# Altium PCB 风扇_V1.1.PcbDoc
Units mm, origin at the board's own origin, x right, y up, seen from the top; angles counter-clockwise.
Board outline 100 x 20 mm, 2 copper layers (Top Layer, Bottom Layer); 73 components, 49 nets, 206 pads, 122 vias.
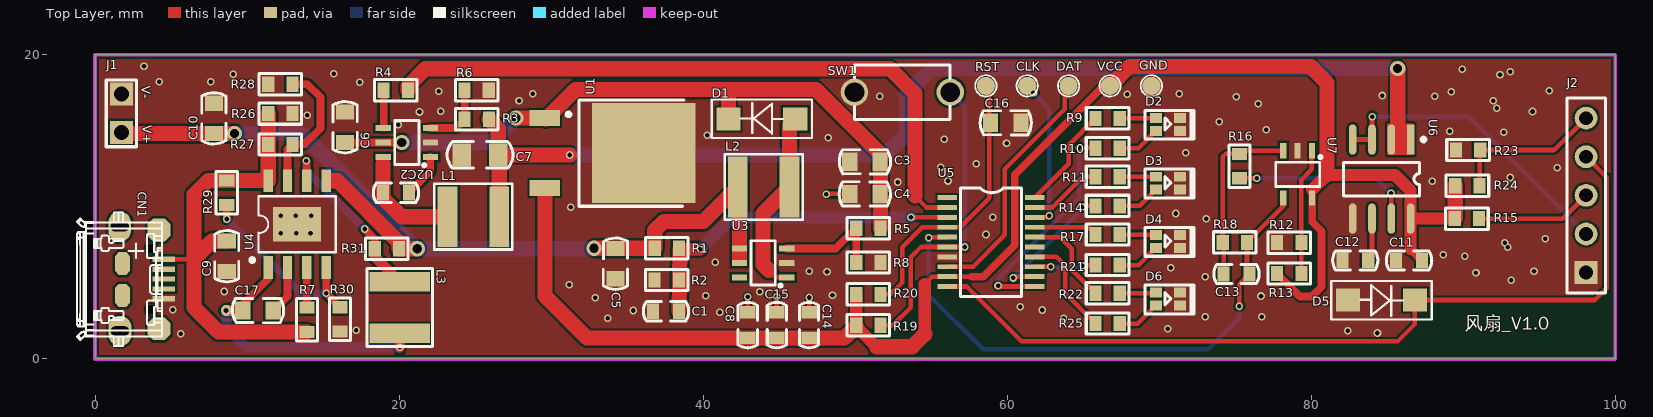
[diagram p0: Top Layer view]
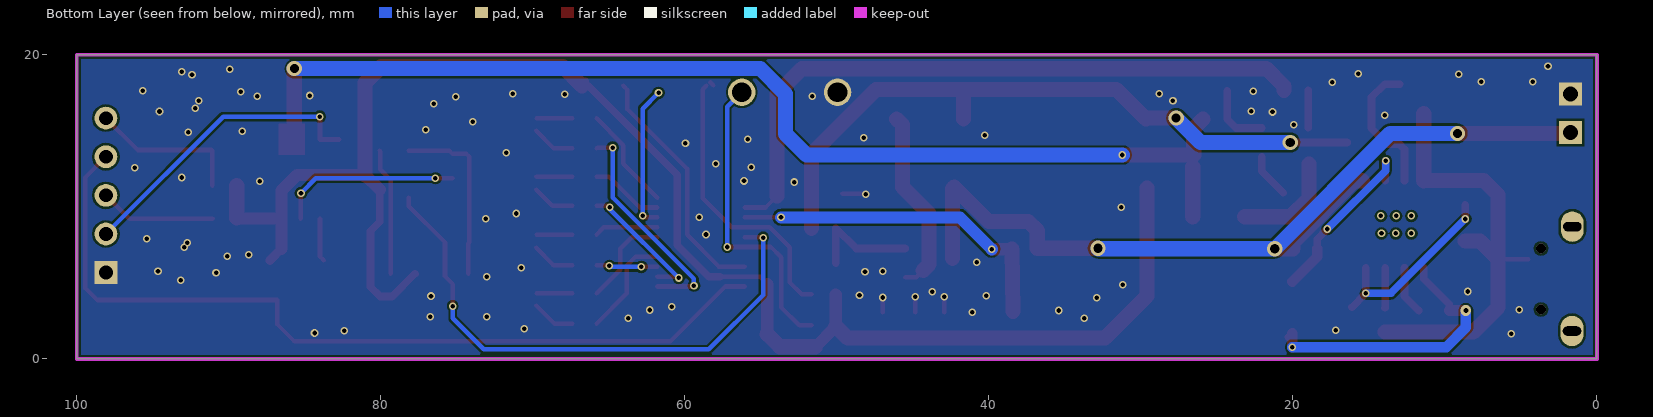
[diagram p1: Bottom Layer view, seen from below]

## Layer stack, top to bottom
Top Layer: signal copper 0.0356
Dielectric: dielectric 0.32, FR-4, Dk 4.8
Bottom Layer: signal copper 0.0356

## Board outline
0,0 100,0 100,20 0,20

## Design rules (kind name [scope] priority, off if disabled: settings)
Clearance [All] p1: gap=0.15
ComponentClearance [All] p1: gap=0.254 collisioncheckmode=3 verticalgap=0.254
PlaneConnect [All] p1: planeconnectstyle=Direct reliefexpansion=0.508 reliefentries=4 reliefconductorwidth=0.254 reliefairgap=0.254
PolygonConnect [All] p1: connectstyle=Direct reliefconductorwidth=0.254 reliefentries=4 polygonreliefangle="90 Angle"
RoutingVias [All] p1: holewidth=0.3 width=0.5 viastyle="Through Hole" minholewidth=0.3 minwidth=0.5 maxholewidth=0.711 maxwidth=1.27
SolderMaskExpansion [All] p1: expansion=0.102
TestPointUsage [All] p1: valid=0 allowmultiple=FALSE
Testpoint [(IsPad And (OnTopLayer Or OnBottomLayer))] p1: side=3 testpointundercomponent=TRUE minsize=1.016 maxsize=2.54 preferedsize=1.524 minholesize=0 maxholesize=1.016 preferedholesize=0.813 testpointgrid=0.025 style=297 order=0123456789
Width [All] p1: maxlimit=1 minlimit=0.15 preferedwidth=0.254
17 further rules are at their usual default settings.

## Components (designator, comment, footprint, x,y, rotation, side; value= is the part's Value field where it differs from the comment)
C1 "0.1UF" C-0603 37.562,3.13 r0 top
C2 "10nF" C-0603 19.797,10.925 r180 top
C3 "10uF" C-0805 50.639,12.959 r0 top
C4 "22uF" C-0805 50.639,10.846 r180 top
C5 "22uF" C-0805 34.23,6.263 r270 top
C6 "22uF" C-0805 16.449,15.235 r90 top
C7 "47uF" C-1206 25.325,13.415 r0 top
C8 "0.1uF" C-0603 42.935,2.217 r90 top
C9 "10uF" C-0805 8.661,6.754 r270 top
C10 "22uF" C-0805 7.818,15.814 r90 top
C11 "0.1uF" C-0603 86.44,6.477 r180 top
C12 "0.01uF" C-0603 82.9,6.478 r180 top
C13 "1nF" C-0603 75.086,5.585 r0 top
C14 "0.1uF" C-0603 46.975,2.217 r270 top
C15 "1uF" C-0603 44.845,2.217 r270 top
C16 "10uF" C-0805 59.907,15.524 r0 top
C17 "47nF" C-0805 10.716,3.178 r0 top
CLK "TP" TP-1.2 61.322,17.955 r90 top (schematic designator CLK1)
CN1 "Micro USB" USB-MICRO1 3.066,5.222 r0 top
D1 "1N5817" DIODE 43.867,15.781 r0 top
D2 "LED" 0603*2-LED 71.382,15.849 r180 top
D3 "LED" 0603*2-LED 71.382,11.978 r180 top
D4 "LED" 0603*2-LED 71.382,8.147 r180 top
D5 "5V" DIODE 84.628,3.87 r180 top
D6 "LED" 0603*2-LED 71.382,4.356 r180 top
DAT "TP" TP-1.2 64.044,17.955 r90 top (schematic designator DAT1)
GND "TP" TP-1.2 69.487,17.955 r90 top (schematic designator GND1)
J1 "HEADER 2" HED1X2 1.735,16.152 r90 top
J2 "MOTOR" HED1X5 98.085,5.674 r90 top
L1 "2.2uH" L-SMD 24.874,9.366 r180 top
L2 "4.7uH" L-SMD 43.974,11.318 r180 top
L3 "4.7uH" L-SMD 20.056,3.383 r90 top
R1 "1M" R-0603 37.612,7.278 r0 top
R2 "1M" R-0603 37.611,5.188 r0 top
R3 "190k" R-0603 25.112,15.764 r0 top
R4 "1k" R-0603 19.778,17.668 r180 top
R5 "750K" R-0603 50.868,8.593 r0 top
R6 "10k" R-0603 25.101,17.668 r180 top
R7 "2k" R-0603 13.942,2.568 r90 top
R8 "30K" R-0603 50.868,6.334 r180 top
R9 "330" R-0603 66.603,15.818 r0 top
R10 "330" R-0603 66.603,13.858 r0 top
R11 "330" R-0603 66.603,11.973 r0 top
R12 "100k" R-0603 78.553,7.643 r0 top
R13 "100k" R-0603 78.553,5.608 r180 top
R14 "330" R-0603 66.603,10.06 r0 top
R15 "4.7k" R-0603 90.249,9.222 r0 top
R16 "1k" R-0603 75.286,12.676 r90 top
R17 "330" R-0603 66.603,8.176 r0 top
R18 "3.1k" R-0603 74.98,7.658 r0 top
R19 "47K" R-0603 50.868,2.206 r0 top
R20 "10K" R-0603 50.868,4.241 r0 top
R21 "330" R-0603 66.603,6.169 r0 top
R22 "330" R-0603 66.603,4.31 r0 top
R23 "NC/4.7k" R-0603 90.319,13.738 r0 top
R24 "4.7k/NC" R-0603 90.28,11.386 r180 top
R25 "330" R-0603 66.603,2.321 r0 top
R26 "1k" R-0603 12.187,16.132 r0 top
R27 "3.9k" R-0603 12.187,14.105 r0 top
R28 "1.1k" R-0603 12.187,18.067 r180 top
R29 "100k" R-0603 8.661,10.927 r270 top
R30 "100k" R-0603 16.109,2.593 r270 top
R31 "50mR" R-0603 19.197,7.244 r0 top
RST "TP" TP-1.2 58.601,17.955 r90 top (schematic designator RST1)
SW1 "PUSH BOTTOM (B)" K-2P 49.953,17.536 r0 top
U1 "LM7805" D-PAK 32.844,13.538 r270 top
U2 "LP6460A" SOT-23-6L 20.512,14.232 r90 top
U3 "SDB628" SOT-23-6L 43.948,6.309 r90 top
U4 "LP28300BSPF" ESOP8 13.295,8.856 r0 top
U5 "N76E003 TSSOP20" TSSOP-20 58.94,7.681 r270 top
U6 "ACS712ELCTR-05B-T" SOIC8 84.635,11.826 r180 top
U7 "LM321 SOT23-5" SOT-23-5 79.111,12.132 r180 top
VCC "TP" TP-1.2 66.766,17.955 r90 top (schematic designator VCC1)

## Footprints (in the part's own frame and the unit in brackets; to place one, negate y for a bottom-side part, rotate by r counter-clockwise, add the part's x,y. Pads: shape width x height; smd on the part's side, far side on the other; paste and mask are expansions set on the pad)
0603*2-LED [mm]
  rect 0.8x0.65 smd: 1(1.6,0.85) 2(1.6,0) 3(0,0) 4(0,0.85)
  silkscreen extent -0.9,-0.5 2.3,1.4
C-0603 [mm]
  rect 0.8x1 smd: 1(-0.85,0) 2(0.85,0)
  silkscreen extent -1.49,-0.63 1.49,0.63
C-0805 [mm]
  rect 1x1.2 smd: 1(-1,0) 2(1,0)
  silkscreen extent -1.68,-0.8 1.69,0.8
C-1206 [mm]
  rect 1.2x1.5 smd: 1(1.2,0) 2(-1.2,0)
  silkscreen extent -2.16,-0.88 2.16,0.88
D-PAK [mm]
  rect 1.05x2 smd: 1(-2.3,-3.25) 3(2.3,-3.25)
  rect 6.6x6.8 smd: 2(0,3.25)
  silkscreen extent -3.5,-1.82 3.5,5.9
DIODE [mm]
  rect 1.6x1.5 smd: 1(2.2,0) 2(-2.2,0)
  silkscreen extent -3.3,-1.25 3.3,1.28
ESOP8 [mil]
  rect 24x59.06 smd: 1(-75,-112.5) 2(-25,-112.5) 3(25,-112.5) 4(75,-112.5) 5(75,112.5) 6(25,112.5) 7(-25,112.5) 8(-75,112.5)
  rect 124.02x88.98 smd: 9(0,0)
  silkscreen extent -121,-98 100,72
HED1X2 [mm]
  rect 1.5x1.5 hole 1: 1(-1.27,0) 2(1.27,0)
  silkscreen extent -2.2,-1 2.2,1
HED1X5 [mm]
  rect 1.5x1.5 hole 0.9: 1(0,0)
  round 1.5 hole 0.9: 2(2.54,0) 3(5.08,0) 4(7.62,0) 5(10.16,0)
  silkscreen extent -1.33,-1.27 11.49,1.27
K-2P [mm]
  round 1.8 hole 1.3 mask+0.102: 1(0,0) 2(6.3,0)
  silkscreen extent 0,-1.8 6.3,1.8
L-SMD [mm]
  rect 1.3x4 smd: 1(1.692,0.016) 2(-1.708,0.016)
  silkscreen extent -2.57,-2.14 2.56,2.17
R-0603 [mm]
  rect 0.8x1 smd: 1(-0.8,0) 2(0.8,0)
  silkscreen extent -1.4,-0.7 1.4,0.7
SOIC8 [mm]
  rect 0.5x2 smd: 1(-1.905,-2.6)
  oval 0.5x2 smd: 2(-0.635,-2.6) 3(0.635,-2.6) 4(1.905,-2.6) 5(1.905,2.6) 6(0.635,2.6) 7(-0.635,2.6) 8(-1.905,2.6)
  silkscreen extent -2.88,-2.72 2.5,1.1
SOT-23-5 [mm]
  rect 0.4x1 smd: 1(-0.95,-1.55) 2(0,-1.55) 3(0.95,-1.55) 4(0.95,1.55) 5(-0.95,1.55)
  silkscreen extent -1.6,-1.24 1.45,0.8
SOT-23-6L [mm]
  rect 0.4x1 smd: 1(-0.95,-1.55) 2(0,-1.55) 3(0.95,-1.55) 4(0.95,1.55) 5(0,1.55) 6(-0.95,1.55)
  silkscreen extent -1.6,-1.24 1.45,0.8
TP-1.2 [mm]
  round 1.2 smd: 1(0,0)
  silkscreen extent -0.7,-0.7 0.7,0.7
TSSOP-20 [mm]
  rect 0.32x1.3 smd: 1(-2.925,-2.875) 2(-2.275,-2.875) 3(-1.625,-2.875) 4(-0.975,-2.875) 5(-0.325,-2.875) 6(0.325,-2.875) 7(0.975,-2.875) 8(1.625,-2.875) 9(2.275,-2.875) 10(2.925,-2.875) 11(2.925,2.875) 12(2.275,2.875) 13(1.625,2.875) 14(0.975,2.875) 15(0.325,2.875) 16(-0.325,2.875) 17(-0.975,2.875) 18(-1.625,2.875) 19(-2.275,2.875) 20(-2.925,2.875)
  silkscreen extent -3.56,-2 3.58,2
USB-MICRO1 [mm]
  rect 1.5x0.35 smd: 1(1.448,1.325) 2(1.448,0.675) 3(1.448,0.025) 4(1.448,-0.625) 5(1.448,-1.275)
  oval 1.5x2 hole 0.6 slot 1.2 at 0 deg: ""(-1.448,3.474) ""(-1.428,-3.394)
  oct 1x1.5 smd: ""(-1.258,-1.05) ""(-1.258,1.05)
  oct 1.5x1.5 smd: ""(1.142,-3.25) ""(1.142,3.25)
  silkscreen extent -4.27,-4.38 1.35,4.42

## Free pads (board coordinates)
  round 0.65 hole 0.65: 0(3.68,3.25) 1(3.68,7.26)

## Via types
v1: diameter 0.5, hole 0.3, Top Layer to Bottom Layer, tented both sides, 115 vias
v2: diameter 1, hole 0.6, Top Layer to Bottom Layer, tented both sides, 6 vias
v3: diameter 0.7, hole 0.35, Top Layer to Bottom Layer, tented both sides, 1 vias

## Nets (pads, with @x,y where several pads share a name; then routed paths per layer and width w, separated by ;. In a path a pad name is that pad's centre, name@x,y a point inside that pad or via, vN(x,y) a via of type N, cw(c..) or ccw(c..) an arc to the next point about the centre after c; other vN are vias at no path point)
5V: C9.1 CN1.1 R7.1 R26.1 R27.1 R29.1 U4.8 | length 29.6
  Top Layer w0.3: CN1.1 6.487,6.547
  Top Layer w1: C9.1 7.694,7.754 6.51,6.57 ; U4.8@11.19,11.727 R29.1 7.447,11.727 6.51,10.79 6.51,6.57 ; U4.8 R26.1@11.39,16.129 ; R7.1 8.112,1.768 6.51,3.37 6.51,6.57
7.4V: C5.1 C10.1 J1.1 L2.1 R1.1 R31.2 U3.4 U3.5 U4.5 | length 58.7
  Top Layer w1: J1.1 1.803,14.814 C10.1 9.164,14.814 v2(9.18,14.83) ; U4.5@15.44,11.713 15.947,11.713 19.997,7.663 R31.2 21.186,7.244 v2(21.19,7.24) ; v2(32.83,7.27) C5.1@34.237,7.27 ; C5.1 C5.1@34.237,7.27 ; 42.398,6.6 U3.4 42.398,11.186 L2.1 40.01,9.03 37.41,9.03 36.812,8.432 R1.1 34.244,7.278 C5.1@34.237,7.27
  Bottom Layer w1: v2(9.18,14.83) 13.6,14.83 v2(21.19,7.24) 32.8,7.24 v2(32.83,7.27)
B1: R9.1 U5.20 | length 6.9
  Top Layer w0.3: U5.20 64.04,12.831 64.04,14.055 R9.1
B2: R11.1 U5.19 | length 4.8
  Top Layer w0.3: U5.19 62.976,9.956 64.993,11.973 R11.1
B3: R17.1 U5.17 | length 4.2
  Top Layer w0.3: U5.17 65.323,8.656 R17.1
B4: R22.1 U5.16 | length 6.3
  Top Layer w0.3: U5.16 63.484,8.006 64.26,7.23 64.26,5.853 R22.1
DET_BAT: C1.2 R1.2 R2.2 U5.3 | length 22.5
  Top Layer w0.3: v1(53.674,9.306) U5.3
  Top Layer w0.8: R1.2@38.48,7.21 v1(39.814,7.21)
  Top Layer w1: C1.2 R1.2@38.48,7.21
  Bottom Layer w0.8: v1(39.814,7.21) 41.91,9.306 v1(53.674,9.306)
EN_12V: R4.1 U5.2 | length 43.9
  Top Layer w0.3: 53.93,10.72 54.694,9.956 U5.2
  Top Layer w1: R4.1 20.578,17.928 21.736,19.086 52.284,19.086 53.93,17.44 53.93,10.72
FG: J2.3 R15.2 | length 7.7
  Top Layer w0.3: R15.2 96.552,9.222 J2.3
GND: C1.1 C3.1 C4.2 C5.2 C6.2 C7.2 C8.2 C9.2 C10.2 C11.2 C12.2 C14.1 C15.1 C16.2 CN1.5 D2.3 D2.4 D3.3 D3.4 D4.3 D4.4 D5.1 D6.3 D6.4 GND.1 J1.2 J2.1 R2.1 R6.1 R8.1 R12.1 R23.1 R26.2 R28.2 R30.2 SW1.1 U1.2 U2.2 U3.2 U4.9 U5.7 U6.5 U7.2 | length 4.5
  Top Layer w0.3: C8.2 v1(42.935,4.095) ; C15.1 v1(44.845,4.085) ; C14.1 v1(46.975,4.035) ; v1@48.106,10.846 C4.2
  other v1: 5.63,1.66 84.36,1.7 82.41,1.85 17.18,1.89 70.57,1.99 63.72,2.66 33.734,2.68 73.04,2.76 76.75,2.76 41.09,3.07 35.414,3.18 62.32,3.21 5.11,3.23 60.87,3.42 32.91,4.02 76.7,4.13 40.184,4.15 48.51,4.18 43.72,4.41 8.49,4.43 31.18,4.88 93.15,5.18 73.02,5.4 90.84,5.65 48.15,5.74 46.98,5.77 94.66,5.76 70.76,5.99 40.81,6.34 90.11,6.75 88.7,6.85 92.94,7.33 92.73,7.64 95.39,7.9 58.61,8.18 12.21,8.25 13.23,8.25 14.17,8.25 73.09,9.22 59.06,9.32 12.21,9.4 13.21,9.4 14.21,9.4 71.09,9.56 31.3,9.96 48.09,10.83 52.8,11.63 87.97,11.67 56.11,11.7 93.1,11.93 96.18,12.56 55.64,12.6 57.97,12.84 71.76,13.55 59.96,14.17 55.87,14.45 48.23,14.55 40.26,14.71 92.68,14.91 89.12,14.96 77.04,15.07 19.94,15.39 73.95,15.6 13.97,16.02 21.34,16.24 94.56,16.27 22.75,16.29 92.2,16.48 76.51,16.78 27.89,16.98 91.99,16.99 75.07,17.24 88.13,17.26 51.62,17.28 84.67,17.32 67.91,17.4 28.79,17.44 71.33,17.45 22.61,17.59 89.22,17.58 95.66,17.63 17.42,18.2 4.23,18.23 7.61,18.23 92.42,18.68 9.09,18.71 15.69,18.76 93.09,18.89 89.95,19.04 3.22,19.24
IP-: J2.2 U6.3 U6.4 | length 20.1
  Top Layer w0.3: U6.4 U6.3 84,15.95 v1(84.019,15.93)
  Bottom Layer w0.3: v1@84.04,15.93 90.369,15.93 J2.2
KEY: R19.2 SW1.2 U5.6 | length 20.2
  Top Layer w0.3: R19.2 52.476,2.206 53.65,3.38 53.65,6.67 54.336,7.356 U5.6 v1(57.206,7.356)
  Bottom Layer w0.3: SW1.2 57.206,16.583 v1(57.206,7.356)
N23160559: R5.1 R8.2 U3.3 | length 7.4
  Top Layer w0.5: U3.3 48.735,7.259 R5.1 R8.2@50.068,6.288
N23160568: D1.1 L2.2 U3.1 | length 12.4
  Top Layer w0.3: 44.322,5.818 44.781,5.359 U3.1
  Top Layer w1: 44.322,5.818 43.93,6.21 43.93,9.55 L2.2 45.682,15.396 D1.1
N23367902: R4.2 U2.4 | length 2.5
  Top Layer w0.3: U2.4 U2.4@18.978,15.197
  Top Layer w0.5: U2.4@18.978,15.197 R4.2
N23367939: C2.2 L1.1 U2.6 | length 7
  Top Layer w1: 18.947,12.817 C2.2 18.947,10.563 20.16,9.35 L1.1
N23367985: C2.1 U2.1 | length 2.9
  Top Layer w0.5: C2.1 22.062,12.34 U2.1
N23368069: R3.1 R6.2 U2.3 | length 4.4
  Top Layer w0.3: R6.2@24.312,17.625 24.306,17.63 R6.2@24.315,17.639
  Top Layer w0.5: U2.3 23.729,15.182 R3.1 R6.2@24.312,17.625
N23368260: R7.2 U4.3 | length 2.6
  Top Layer w0.5: U4.3 13.93,3.38 R7.2
N23370161: D2.2 R9.2 | length 2.3
  Top Layer w0.3: R9.2 D2.2@69.751,15.818
N23370189: D3.2 R11.2 | length 2.4
  Top Layer w0.3: R11.2 D3.2@69.776,11.973
N23370207: D4.2 R17.2 | length 2.3
  Top Layer w0.3: R17.2 D4.2@69.753,8.176
N23370225: D6.2 R22.2 | length 2.3
  Top Layer w0.3: R22.2 D6.2@69.736,4.31
N23370257: D2.1 R10.2 | length 2.9
  Top Layer w0.3: R10.2 68.64,13.858 D2.1
N23370283: D3.1 R14.2 | length 2.8
  Top Layer w0.3: R14.2 68.714,10.06 D3.1
N23370301: D4.1 R21.2 | length 2.8
  Top Layer w0.3: R21.2 68.653,6.169 D4.1
N23370360: D6.1 R25.2 | length 2.9
  Top Layer w0.3: R25.2 68.597,2.321 D6.1
N23370702: J2.5 R23.2 R24.1 | length 10.1
  Top Layer w0.3: R24.1 R23.2@91.08,13.7 ; R23.2 95.989,13.738 J2.5
N23371476: C12.1 U6.6 | length 2.9
  Top Layer w0.3: C12.1 84,6.727 U6.6
N23373152: C13.1 R16.2 R18.1 U7.3 | length 11.9
  Top Layer w0.3: C13.1 74.236,7.601 R18.1 74.18,13.29 74.366,13.476 R16.2 75.492,13.682 U7.3
N23373354: R12.2 R13.1 U7.1 | length 8.4
  Top Layer w0.3: R13.1 R12.2 79.353,11.767 80.046,12.46 80.046,13.667 U7.1
N23409971: R27.2 R28.1 U4.7 | length 9
  Top Layer w0.5: U4.7 12.66,13.777 R27.2 13.775,14.105 14.83,15.16 14.83,17.2 13.963,18.067 R28.1
N23410401: R29.2 R30.1 U4.4 | length 12.5
  Top Layer w0.5: v1(8.65,9.2) 8.65,10.116 R29.2 ; U4.4 v1(15.2,4.302) R30.1
  Bottom Layer w0.5: v1(8.65,9.2) 13.548,4.302 v1(15.2,4.302)
N23411253: C17.1 L3.2 U4.1 | length 18.9
  Top Layer w0.5: C17.1 9.716,3.596 11.39,5.27 U4.1 ; L3.2 L3.2@20.29,1.425
  Top Layer w0.7: v3(8.618,3.178) C17.1 ; v1(20.04,0.77) L3.2
  Bottom Layer w0.7: v3(8.618,3.178) 8.618,2.072 9.92,0.77 v1(20.04,0.77)
N23411484: C17.2 U4.2 | length 3.2
  Top Layer w0.5: C17.2 12.66,4.121 U4.2
P18: CLK.1 U5.18 | length 9.5
  Top Layer w0.3: v1(61.73,17.5) CLK.1@61.73,17.547 ; U5.18 62.716,9.306 v1@62.768,9.358
  Bottom Layer w0.3: v1(61.73,17.5) 62.768,16.462 v1(62.768,9.406)
PWM: D5.2 J2.4 U5.10 | length 56.4
  Top Layer w0.3: U5.10 57.344,4.756 60.957,1.143 85.683,1.143 86.828,2.288 D5.2 98.65,3.87 99.43,4.65 99.43,11.949 J2.4
R1: R10.1 U5.11 | length 14.8
  Top Layer w0.3: v1(59.4,4.81) 59.454,4.756 U5.11 ; v1(64.75,13.89) 65.771,13.89 R10.1
  Bottom Layer w0.3: v1(59.4,4.81) 59.4,5.26 64.75,10.61 v1(64.75,13.89)
R2: R14.1 U5.12 | length 8.9
  Top Layer w0.3: v1(60.4,5.32) 60.486,5.406 U5.12 ; v1(64.93,9.97) 65.02,10.06 R14.1
  Bottom Layer w0.3: v1(60.4,5.32) 64.93,9.85 v1(64.93,9.97)
R3: R21.1 U5.13 | length 4
  Top Layer w0.3: U5.13 62.854,6.056 v1(62.86,6.05) ; v1(64.96,6.11) 65.019,6.169 R21.1
  Bottom Layer w0.3: v1(62.86,6.05) 64.9,6.05 v1(64.96,6.11)
R4: R25.1 U5.14 | length 6.9
  Top Layer w0.3: U5.14 63.244,6.706 63.81,6.14 63.81,4.314 R25.1
RS: L3.1 R31.1 U4.6 | length 11.8
  Top Layer w0.5: v1(13.9,13.03) 13.93,13 U4.6 ; v1(17.73,8.54) 18.397,7.873 R31.1
  Top Layer w0.7: R31.1 18.397,6.718 L3.1
  Bottom Layer w0.5: v1(13.9,13.03) 13.9,12.37 v1(17.73,8.54)
TICEDAT: DAT.1 U5.8 | length 16.2
  Top Layer w0.3: U5.8 57.756,6.056 59.85,8.15 59.85,12.49 63.776,16.416 63.776,17.687 DAT.1
TICERST: C16.1 R20.2 RST.1 U5.4 | length 18.9
  Top Layer w0.3: R20.2 52.321,4.241 53.1,5.02 53.1,7.33 54.426,8.656 U5.4 56.906,8.656 58.822,10.572 58.822,17.734 RST.1 ; RST.1@58.132,17.988 RST.1@58.333,18.189
V_MOTOR: C13.2 R18.2 U5.5 U7.4 | length 37.4
  Top Layer w0.3: v1(54.85,7.97) 54.886,8.006 U5.5 ; v1(75.27,3.47) 75.27,4.919 75.78,5.429 R18.2 78.161,10.04 U7.4 78.161,10.071
  Bottom Layer w0.3: v1(54.85,7.97) 54.85,4.2 58.42,0.63 73.24,0.63 75.27,2.66 v1(75.27,3.47)
VDD_5V: C8.1 C11.1 C14.2 C15.2 R13.2 R15.1 R19.1 R20.1 R24.2 U1.3 U5.9 U6.8 U7.5 VCC.1 | length 109.3
  Top Layer w0.3: 54.58,4.93 55.056,5.406 57.67,5.406
  Top Layer w0.5: 57.67,5.406 58.426,5.406 60.49,7.47 60.49,12.1 66.345,17.955 VCC.1 ; VCC.1@66.558,18.168 VCC.1@66.558,18.25 ; R13.2 79.262,4.1 80.04,4.1 80.68,4.74 80.68,8.4 80.061,9.019 80.061,11.121 ; R15.1@89.445,9.226 R15.1@89.48,9.261
  Top Layer w0.6: 86.54,7.228 C11.1
  Top Layer w0.8: R20.1 50.068,2.128 51.396,0.8 ; 54.58,1.62 54.58,4.93 ; 80.061,11.121 81.04,12.1 85.52,12.1 86.54,11.08 86.54,7.228 ; U6.8 R15.1@89.445,9.226
  Top Layer w1: U1.3 29.594,4.136 32.363,1.367 C8.1 C15.2 C14.2 49.307,1.367 R19.1@50.068,2.128 ; 51.396,0.8 53.76,0.8 54.58,1.62 ; VCC.1 68.034,19.223 79.967,19.223 81.04,18.15 81.04,12.1 ; R15.1@89.48,9.261 R24.2
VDD_12V: C7.1 L1.2 R3.2 U6.1 U6.2 | length 74.3
  Top Layer w0.8: 85.53,14.426 86.25,14.426
  Top Layer w1: R3.2 26.525,15.151 C7.1 31.215,13.415 v1(31.22,13.41) ; L1.2 26.582,12.62 ; 85.69,14.446 v2(85.69,19.09)
  Bottom Layer w1: v1(31.22,13.41) 51.99,13.41 53.38,14.8 53.38,17.43 55.04,19.09 v2(85.69,19.09)
VDD_15_6V: C3.2 C4.1 C6.1 D1.2 R5.2 U1.1 U2.5 | length 45.2
  Top Layer w0.5: C6.1@16.421,14.232 v2(20.172,14.232) ; U1.1@29.592,15.84 U1.1
  Top Layer w0.8: C3.2 C3.2@51.668,12.93
  Top Layer w1: v2(27.68,15.84) U1.1@29.592,15.84 ; U1.1@29.66,15.772 31.598,17.71 47.42,17.71 51.668,13.462 R5.2 ; D1.2 41.667,17.687
  Bottom Layer w1: v2(20.172,14.232) 26.072,14.232 v2(27.68,15.84)
VIOUT: R16.1 U6.7 | length 12.1
  Top Layer w0.3: R16.1 75.29,11.88 v1(76.41,11.88) ; v1(85.25,10.9) 85.27,10.88 U6.7
  Bottom Layer w0.3: v1(76.41,11.88) 84.27,11.88 v1(85.25,10.9)
pads on no net: CN1. CN1.2 CN1.3 CN1.4 U3.6 U5.1 U5.15

## Polygon pours and split planes (outlines as drawn)
GND on Top Layer "GND" (solid, remove dead copper, pour order 1000): 0,20 100,20 100,0 0,0 0,20
GND on Bottom Layer "GND" (solid, remove dead copper, pour order 1001): 0,20 100,20 100,0 0,0 0,20

## Keep-outs
Keep-Out Layer:
  the board outline again, w0.254

## Other copper
Top Layer:
  rectangle net VDD_12V: 84.99,13.4 86.73,15.49

## Silkscreen, mask and mechanical layers (free items; w line width, h text height)
Top Overlay:
  text "V-" at 3.08,17.95 h0.6 r270
  text "V+" at 3.12,15.38 h0.6 r270
  text "风扇_V1.0" at 90.11,1.61 h1.52

## Dimensions
0,20 to 100,20 on Keep-Out Layer
0,20 to 0,0 on Keep-Out Layer